# KiCad board e-tkt.kicad_pcb (continued)
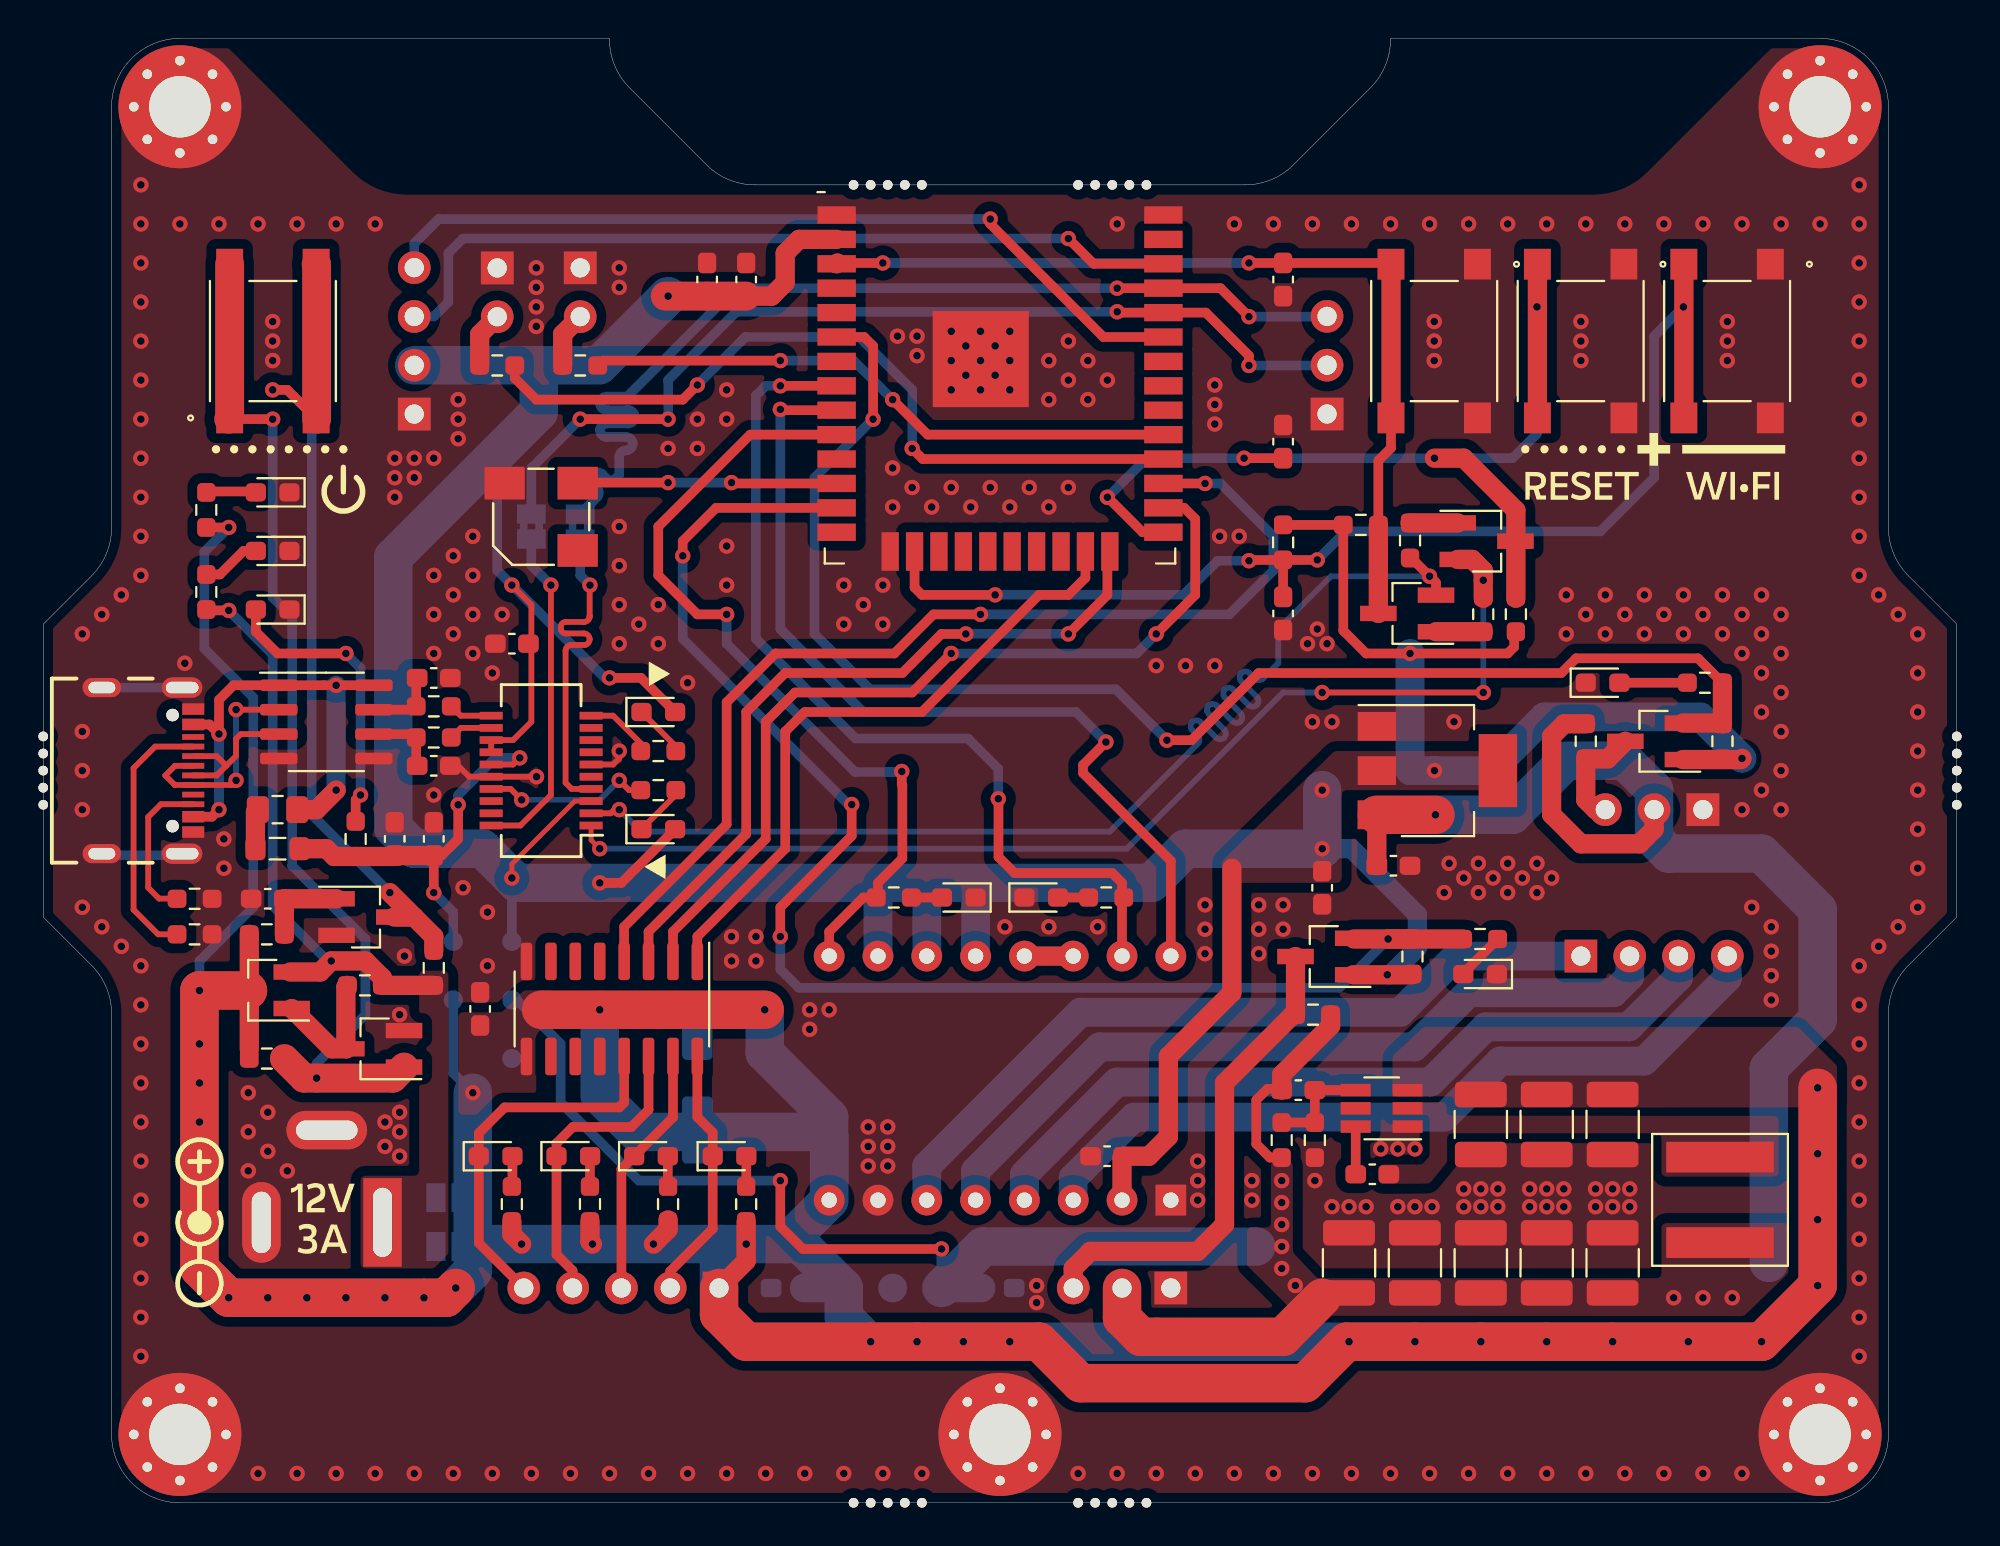
[diagram p0: board, top side]
## Routing (per net, layer and track width the routed paths; a pad name or vN(x,y) marks a point on that pad's centre or on a via; arc(x,y) is an arc through that point) (continued)
Net-(Q_AUTO1-Pad1): length 2.5
  Top w1: R_AUTO1.2 Q_AUTO1.1
Net-(Q_AUTO2-Pad1): length 2.5
  Top w1: R_AUTO2.2 Q_AUTO2.1
Net-(Q_POW1-Pad1): length 7.1
  Top w1: Q_POW1.1 15.03,23.62 Q_POW2.3 15.75,23.65 15.75,26.85 R_POW2.1
Net-(Q_POW2-Pad1): length 54.6
  Top w0.5: v1(11.94,56.39) 9.65,56.39
  Top w1.5: 9.65,56.39 9.7,56.44 SW_POW1.2 ; R_POW3.1 13.56,22.1 v1(14.22,22.1) 18.2,22.1 Q_POW2.1
  Bottom w0.5: v1(14.22,22.1) 14.22,22.86 16.76,25.4 16.76,29.34 12.95,33.15 12.95,46.1 11.94,47.12 v1(11.94,56.39)
Net-(Q_POW3-Pad3): length 45.1
  Top w0.5: v1(11.94,57.91) 12.7,57.91 14.22,56.39
  Top w1: R_POW5.1 20.32,29.46 19.3,30.48 ; Q_POW3.3 19.3,30.48 ; 19.3,30.48 v1(18.03,31.75)
  Top w1.5: 14.22,56.39 14.22,64.43 SW_POW1.4
  Bottom w0.5: v1(18.03,31.75) 13.97,35.81 13.97,56.64 12.7,57.91 v1(11.94,57.91)
Net-(R_RX1-Pad2): length 8.7
  Top w0.3: v1(24.89,36.58) 24.32,37.15 U_SER1.17 ; v1(29.97,37.59) 30.48,37.08 R_RX1.2
  Bottom w0.3: v1(29.97,37.59) 28.96,36.58 v1(24.89,36.58)
Net-(R_SER1-Pad1): length 2.3
  Top w0.3: R_SER1.1 21.73,40.32 U_SER1.12
Net-(R_SER2-Pad1): length 2.3
  Top w0.3: R_SER2.1 21.72,40.96 U_SER1.11
Net-(R_TX1-Pad2): length 3.6
  Top w0.3: R_TX1.2 31.09,39.52 29.65,40.96 U_SER1.10

## Copper pours and planes (outline as drawn; the poured copper is in the pictures)
+3.3V on Top: 76.07,37.08 67.56,37.08 67.56,32.26 61.34,32.26 61.34,33.4 67.18,39.12 76.07,39.12
+6V on Top, Bottom: 62.64,12.34 62.64,14.33 63.88,14.33 63.88,17.78 65.02,17.78 65.02,13.03 66.29,11.68 84.2,11.68 84.2,14.56 90.81,14.56 90.81,11.95 88.49,9.72 65.28,9.73
+6V on In2.Cu: 99.57,0 0,0 0,76.2 9.14,76.2 17.27,68.07 82.3,68.07 90.42,76.2 99.57,76.2
+12V on Top: 26.67,24.64 25.65,23.5 25.65,20.19 21.59,20.19 21.59,25.53 23.88,25.53 25.02,26.67 26.67,26.67
+12V on Top: 70.21,23.24 71.83,24.77 91.31,24.77 93.34,22.73 93.34,20.57 73.43,20.56 73.43,21.15 70.21,21.15
+12V on In3.Cu: 99.57,0 0,0 0,76.2 9.14,76.2 17.27,68.07 82.3,68.07 90.42,76.2 99.57,76.2
GNDREF on Top, Bottom: 99.57,0 0,0 0,76.2 9.14,76.2 17.27,68.07 82.3,68.07 90.42,76.2 99.57,76.2
GNDREF on In1.Cu, In4.Cu: 99.57,0 0,0 0,76.2 9.14,76.2 17.27,68.07 82.3,68.07 90.42,76.2 99.57,76.2
Net-(C_POW_BST1-Pad2) on Top: 69.47,16.59 69.47,17.6 71.75,17.6 72.14,18.03 72.14,20.19 70.23,20.19 70.23,20.85 73.03,20.85 73.03,20.14 90.3,20.13 90.3,16.97 84.2,16.97 84.2,19.23 73.05,19.23 73.05,17.73 72.14,16.61
Net-(J_POW1-Pad1) on Top: 21.08,12.95 20.32,12.19 16.51,12.19 16.51,17.02 19.56,17.02 19.56,27.69 21.08,27.69
Net-(J_POW1-Pad1) on Bottom: 20.96,16.64 20.96,12.57 20.45,12.07 16.38,12.07 16.38,17.15 20.45,17.15

## Text on the board
B.Mask: v0.9 | 2022/07/21
B.Silkscreen: 5V USB | 12V | GND | RX EXT | TX EXT | EXTERNAL ! 3V3 ! / FLASHING | HALL | STEPPER | SERVO | NEMA | 3.3V | 6V | LEDS | VMOT | DISPLAY | PRESS | END | IN
